# Altium PCB SOM_MCU.PcbDoc (part 4 of 4)
Units mil, origin at the board's own origin, x right, y up, seen from the top; angles counter-clockwise.
Board outline 3385.83 x 1811.02 mil, 4 copper layers (Top Layer, Mid-Layer 1, Mid-Layer 3, Bottom Layer); 107 components, 185 nets, 882 pads, 645 vias.
Unrouted connection lines stored in the file: 5.
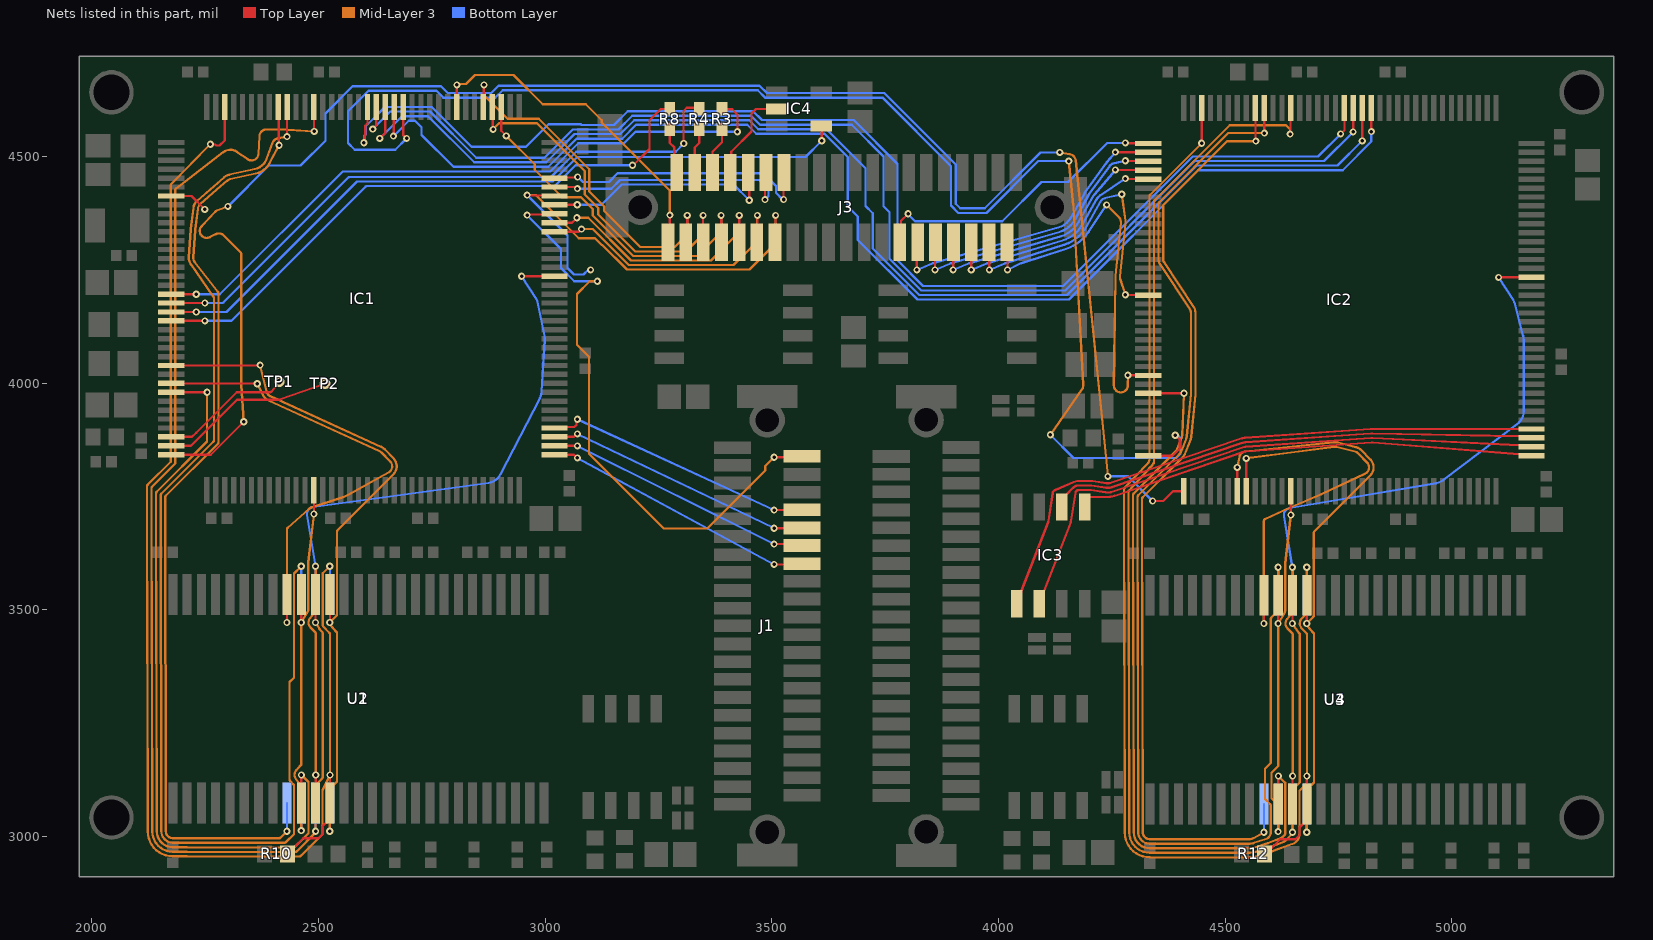
[diagram p6: the nets of this part, all layers, seen from the top]

## Via types
v1: diameter 15.75, hole 7.87, Top Layer to Bottom Layer, tented both sides, 639 vias
v2: diameter 15.75, hole 7.87, Top Layer to Bottom Layer, 4 vias
v3: diameter 23.62/23.62/23.62/23.62 (per signal layer), hole 12, Top Layer to Bottom Layer, tented top, 2 vias

## Nets (pads, with @x,y where several pads share a name; then routed paths per layer and width w, separated by ;. In a path a pad name is that pad's centre, name@x,y a point inside that pad or via, vN(x,y) a via of type N, cw(c..) or ccw(c..) an arc to the next point about the centre after c; other vN are vias at no path point) (continued)
NetJ3_36: J3.36 R3.1 | length 103.7
  Top Layer w5: J3.36@3369,4465 3369.24,4465.24 3369.24,4510.57 3390,4531.33 R3.1@3390,4560
NetJ3_38: J3.38 R4.1 | length 99.1
  Top Layer w5: J3.38@3330,4465 3330,4520 3340,4530 R4.1@3340,4560
NetJ3_40: J3.40 R8.1 | length 101.2
  Top Layer w5: R8.1@3275,4560 3275,4530 3285,4520 3285,4470 J3.40@3290,4465
PSRAM1_CLK: IC2.74 IC3.6 | length 1286.3
  Top Layer w5: IC3.6@4090,3513.23 4100.3,3540.75 4159.79,3694.04 ccw(c4152.8,3696.75) 4160.21,3695.61 4169.79,3757.93 cw(c4177.2,3756.79) 4177.2,3764.29 4202.8,3764.29 cw(c4202.8,3756.79) 4203.93,3764.2 4236.32,3759.35 ccw(c4241.56,3794.34) 4253,3760.87 4538.5,3858.13 cw(c4546.75,3834.13) 4544.98,3859.45 4822.42,3878.87 cw(c4824.24,3853.56) 4825.48,3878.91 5149.65,3862.97 IC2.74@5176.18,3859.57
PSRAM1_CS: IC2.73 IC3.1 | length 1018.7
  Top Layer w5: IC3.1@4190,3726.77 4200.3,3748.96 4241.56,3748.96 ccw(c4241.56,3794.34) 4256.19,3751.39 4541.75,3848.67 cw(c4546.75,3834.13) 4545.68,3849.47 4823.16,3868.9 cw(c4824.24,3853.56) 4825.6,3868.88 5149.65,3843.29 IC2.73@5176.18,3839.88
PSRAM1_MISO: IC2.75 IC3.2 | length 1080.7
  Top Layer w5: IC3.2@4140,3726.77 4150.3,3754.29 4164.69,3769.02 cw(c4177.2,3756.79) 4177.2,3774.29 4202.8,3774.29 cw(c4202.8,3756.79) 4205.44,3774.09 4237.76,3769.25 ccw(c4241.56,3794.34) 4249.8,3770.34 4535.3,3867.6 cw(c4546.75,3834.13) 4544.28,3869.42 4821.77,3888.85 cw(c4824.24,3853.56) 4824.92,3888.93 5149.65,3882.66 IC2.75@5176.18,3879.25
PSRAM1_MOSI: IC2.76 IC3.5 | length 1339.7
  Top Layer w5: IC3.5@4040,3513.23 4050.3,3540.75 4109.79,3694.04 ccw(c4102.8,3696.75) 4110.21,3695.61 4119.79,3757.93 cw(c4127.2,3756.79) 4124.2,3763.67 4166.2,3782 cw(c4177.2,3756.79) 4177.2,3784.29 4202.8,3784.29 cw(c4202.8,3756.79) 4206.92,3783.98 4239.24,3779.14 ccw(c4241.56,3794.34) 4246.58,3779.81 4532.02,3877.05 cw(c4546.75,3834.13) 4543.58,3879.4 4821.07,3898.83 cw(c4824.24,3853.56) 4824.24,3898.94 IC2.76@5176.18,3898.94
SAI1_FS: IC2.3 J3.11 | length 623
  Top Layer w5: v1(3860,4250) 3860,4310 J3.11@3861,4311 ; v1(4280,4490.63) 4280.57,4490.06 4330.1,4490.06 IC2.3@4330.67,4489.49
  Bottom Layer w5: v1(3860,4250) 3894.09,4264.19 cw(c3900,4250) 3895.74,4264.77 4134.66,4333.71 ccw(c4119,4388) 4168.34,4360.47 4199.2,4415.47 cw(c4238.77,4393.26) 4202.2,4420.12 4245.8,4479.49 cw(c4258.19,4470.39) 4255.06,4485.44 v1(4280,4490.63)
SAI1_MCLK: IC2.1 J3.15 | length 680
  Top Layer w5: J3.15@3782,4311 3785.21,4314.21 3785.21,4358.08 v1(3800.82,4373.72) ; v1(4280,4530) 4280.57,4529.43 4330.1,4529.43 IC2.1@4330.67,4528.86
  Bottom Layer w5: v1(3800.82,4373.72) 3800.82,4372.38 3815.93,4357.28 4008.58,4357.28 4094.94,4443.64 4153.64,4443.64 4240,4530 v1(4280,4530)
SAI1_SCK: IC2.4 J3.9 | length 576.2
  Top Layer w5: v1(3900,4250) 3900,4310 J3.9@3901,4311 ; v1(4258.19,4470.39) 4258.48,4470.1 4330.38,4470.1 IC2.4@4330.67,4469.8
  Bottom Layer w5: v1(3900,4250) 3934.09,4264.19 cw(c3940,4250) 3935.66,4264.75 4137.77,4324.2 ccw(c4119,4388) 4177.04,4355.55 4207.92,4410.57 cw(c4238.77,4393.26) 4211.89,4416.25 v1(4258.19,4470.39)
SAI1_SD_A: IC2.5 J3.7 | length 523.8
  Top Layer w5: v1(3940,4250) J3.7@3940,4311 ; v1(4280,4451.26) 4280.57,4450.69 4330.1,4450.69 IC2.5@4330.67,4450.12
  Bottom Layer w5: v1(3940,4250) 3974.09,4264.19 cw(c3980,4250) 3975.55,4264.72 4141.14,4314.77 ccw(c4119,4388) 4185.75,4350.62 4216.64,4405.68 cw(c4238.77,4393.26) 4224.69,4414.37 v1(4280,4451.26)
SAI1_SD_B: IC2.2 J3.13 | length 672
  Top Layer w5: v1(3820,4250) 3820,4309 J3.13@3822,4311 ; v1(4258.19,4509.76) 4258.48,4509.47 4330.38,4509.47 IC2.2@4330.67,4509.17
  Bottom Layer w5: v1(3820,4250) 3854.09,4264.19 cw(c3860,4250) 3855.79,4264.79 4131.72,4343.27 ccw(c4119,4388) 4159.63,4365.39 4190.48,4420.36 cw(c4238.77,4393.26) 4194.14,4426.04 4237.73,4485.41 cw(c4258.19,4470.39) 4238.79,4486.74 v1(4258.19,4509.76)
SAI4_SD_A: IC2.27 J3.3 | length 860.9
  Top Layer w5: J3.3@4019,4311 4020,4310 v1(4020,4250) ; v1(4285.72,4017.37) 4285.88,4017.21 4330.51,4017.21 IC2.27@4330.67,4017.05
  Mid-Layer 3 w5: v1(4238.77,4393.26) 4265.93,4365.81 cw(c4255,4355) 4270.29,4353.37 4258.18,4236.96 ccw(c4283.43,4234.37) 4258.05,4234.73 4254.69,3995.2 ccw(c4270.06,3995) 4285.43,3994.78 v1(4285.72,4017.37)
  Bottom Layer w5: v1(4020,4250) 4048.25,4263.81 cw(c4055,4250) 4050.34,4264.65 4148.46,4296.11 ccw(c4119,4388) 4199.11,4334.2 v1(4238.77,4393.26)
SAI4_SD_B: IC2.18 J3.5 | length 690.5
  Top Layer w5: J3.5@3979,4311 3980,4310 v1(3980,4250) ; v1(4280,4195) 4280.39,4194.61 4330.28,4194.61 IC2.18@4330.67,4194.21
  Mid-Layer 3 w5: v1(4272.11,4416.82) 4280.14,4358.46 cw(c4255,4355) 4280.24,4352.38 4268.13,4235.93 ccw(c4283.43,4234.37) 4268.77,4229.72 ccw(c4283.43,4234.37) 4268.81,4229.61 v1(4280,4195)
  Bottom Layer w5: v1(3980,4250) 4014.09,4264.19 cw(c4020,4250) 4015.38,4264.66 4144.99,4305.5 ccw(c4119,4388) 4194.43,4345.67 4225.36,4400.79 cw(c4238.77,4393.26) 4235.28,4408.23 v1(4272.11,4416.82)
SD_CK: IC1.113 J3.39 | length 808.7
  Top Layer w5: IC1.113@2863.66,4609.37 2864.33,4610.04 2864.33,4657.47 v1(2865,4658.14) ; J3.39@3309.25,4310.49 3313.25,4314.49 v1(3313.25,4370.24)
  Mid-Layer 3 w5: v1(2865,4658.14) 2865,4635 2916.76,4583.24 2985.9,4583.24 3096.99,4472.15 3096.99,4423.01 3130,4390 3130,4380 3209.43,4300.57 3285.57,4300.57 3313.25,4328.25 v1(3313.25,4370.24)
SD_CMD: IC1.116 J3.41 | length 752.2
  Top Layer w5: IC1.116@2804.61,4609.37 2804.8,4609.57 2804.8,4657.94 v1(2805,4658.14) ; J3.41@3271,4311 3275,4315 v1(3275,4370.75)
  Mid-Layer 3 w5: v1(2805,4658.14) 2806.86,4660 2825,4660 2845,4680 2930,4680 2994.63,4615.37 3089.62,4615.37 3125,4579.99 3125,4575 3275,4425 v1(3275,4370.75)
SD_D0: IC1.98 J3.31 | length 622.3
  Top Layer w5: IC1.98@3020.67,4334.25 3074.25,4334.25 v1(3080,4340) ; J3.31@3466.25,4310.49 3468.25,4312.49 v1(3468.25,4370.24)
  Mid-Layer 3 w5: v1(3080,4340) 3105,4340 3184.43,4260.57 3415.57,4260.57 3467.17,4312.17 3467.17,4369.15 v1(3468.25,4370.24)
SD_D1: IC1.99 J3.33 | length 574.4
  Top Layer w5: IC1.99@3020.67,4353.94 3058.94,4353.94 v1(3070,4365) ; J3.33@3427.25,4310.49 3428.25,4311.49 v1(3428.25,4370.24)
  Mid-Layer 3 w5: v1(3070,4365) 3095,4365 3189.43,4270.57 3365.57,4270.57 3427.8,4332.8 3427.8,4369.78 v1(3428.25,4370.24)
SD_D2: IC1.111 J3.35 | length 786.8
  Top Layer w5: IC1.111@2903.03,4609.37 2903.03,4556.64 v1(2914.17,4545.51) ; J3.35@3387.25,4310.49 3388.25,4311.49 v1(3388.25,4370.24)
  Mid-Layer 3 w5: v1(2914.17,4545.51) 2976.81,4482.86 2976.81,4470.59 3037.41,4410 3079.2,4410 3105,4384.2 3105,4370 3194.43,4280.57 3335.57,4280.57 3388.25,4333.25 v1(3388.25,4370.24)
SD_D3: IC1.112 J3.37 | length 791.6
  Top Layer w5: IC1.112@2883.35,4609.37 2884.17,4608.54 2884.17,4560.83 v1(2885,4560) ; J3.37@3348.25,4310.49 v1(3348.25,4370.24)
  Mid-Layer 3 w5: v1(2885,4560) 2898.24,4573.24 2981.76,4573.24 3086.99,4468.01 3086.99,4416.35 3117.07,4386.27 3117.07,4372.07 3198.57,4290.57 3310.57,4290.57 3348.14,4328.14 v1@3348.14,4370.13
SD_DETECT: IC1.102 J3.29 | length 1085.3
  Top Layer w5: v1(2960,4415) 2961,4414 3019.67,4414 IC1.102@3020.67,4412.99 ; J3.29@3505.25,4310.49 3508.25,4313.49 v1(3508.25,4370.24) ; J3.29@3507,4311 J3.29@3508.12,4312.12
  Mid-Layer 3 w5: v1(2960,4415) 2978.95,4415 3073.95,4320 3110,4320 3125,4305 3125.86,4305 3180.29,4250.57 3450.57,4250.57 3508.25,4308.25 v1(3508.25,4370.24)
  Bottom Layer w5: v1(2960,4415) 3049.16,4325.84 3049.16,4254.1 3063.63,4239.63 3084.63,4239.63 3095,4250 v1(3100,4250)
SDCKE_0: IC1.29 U1.37 | length 1781.4
  Top Layer w5: IC1.29@2175.16,3979.92 v1(2253.92,3979.88) ; U1.37@2461.93,3073.39 v1@2461.93,3135.23 ; U1.37@2462.17,3073.63 v1(2462.17,3135.47) ; U1.37@2462.42,3073.38 v1@2462.42,3135.23
  Mid-Layer 3 w5: 2252.46,3870.04 2142.92,3760.5 ccw(c2146.49,3757) 2141.49,3757.03 2141.46,3752.38 ccw(c2156.46,3752.29) 2141.46,3752.29 2141.46,3748.12 2142.96,3011.34 ccw(c2178.34,3011.41) 2178.19,2976.04 2209.59,2975.92 2444.44,2975.76 ccw(c2444.44,2980.76) 2447.93,2977.17 ; 2252.48,3870.06 ccw(c2248.9,3873.55) 2253.9,3873.54 2253.92,3941.61 v1(2253.92,3979.88) ; 2447.95,2977.19 2477.91,3007.16 2477.91,3117.66 ; v1(2462.17,3135.47) 2476.45,3121.15 cw(c2472.91,3117.62) 2477.91,3117.71
SDCKE_1: IC1.135 U2.37 | length 2766.8
  Top Layer w5: v1(2430.33,4543.87) 2430.46,4543.99 2430.46,4609.24 IC1.135@2430.59,4609.37
  Mid-Layer 3 w5: 2412.76,2985.92 2209.64,2985.92 2178.24,2986.04 cw(c2178.34,3011.41) 2152.96,3011.36 2151.46,3748.12 cw(c2161.46,3748.14) 2151.46,3748.25 2151.49,3752.35 cw(c2156.49,3752.32) 2152.9,3755.8 2267.83,3870.74 ccw(c2264.26,3874.24) 2269.26,3874.23 2269.3,3979.78 ccw(c2253.92,3979.88) 2269.3,3979.97 2269.25,4187.4 ccw(c2264.25,4187.4) 2267.88,4190.84 cw(c2271.48,4194.31) 2267.36,4191.48 2218.18,4261.89 cw(c2238.97,4276.44) 2213.66,4278.19 2217.82,4338.31 cw(c2253.11,4335.88) 2218,4340.21 2223.74,4386.62 cw(c2248.93,4383.53) 2232.24,4402.65 2268.33,4434.13 2291.65,4454.43 cw(c2308.31,4435.29) 2302.95,4460.09 2359.32,4472.27 ccw(c2351.85,4506.85) 2385,4494.5 2398.37,4530.4 cw(c2412.78,4525.03) 2410.01,4540.15 v1(2430.33,4543.87) ; 2412.78,2985.92 2424.53,2985.95 ccw(c2424.51,2990.95) 2428,2987.37 ; 2428.02,2987.39 2445.56,3004.93 2445.56,3111.84 ; 2445.56,3111.88 ccw(c2440.56,3111.79) 2444.11,3115.32 2437.27,3122.2 cw(c2440.82,3125.72) 2435.82,3125.72 2435.82,3340.52 2445.56,3350.26 2445.56,3579.98 v1(2461.68,3596.1)
  Bottom Layer w5: U2.37@2461.93,3534.02 v1@2461.93,3595.86
SDCKE_01: IC2.29 U3.37 | length 1647.1
  Top Layer w5: IC2.29@4330.63,3977.66 v1@4409.36,3977.66 ; U3.37@4617.38,3071.14 v1@4617.38,3132.98
  Mid-Layer 3 w5: 4296.91,3744.76 4298.41,3009.13 ; 4296.91,3744.78 4296.91,3748.96 cw(c4306.91,3748.96) 4296.91,3749.06 4296.94,3753.16 cw(c4301.94,3753.13) 4298.35,3756.61 ; 4298.41,3009.1 ccw(c4333.79,3009.17) 4333.84,2973.79 4365.07,2973.68 ; 4298.38,3756.63 4390.89,3849.14 ccw(c4380,3860) 4394.27,3854.29 4404.27,3879.29 ccw(c4390,3885) 4405.36,3884.34 v1(4409.38,3977.64) ; 4365.11,2973.68 4491.22,2973.68 ; 4491.24,2973.68 4554.23,2973.84 ccw(c4554.14,3009.21) 4565.18,2975.6 4593.58,2984.95 ccw(c4585.64,3009.05) 4594.73,2985.36 4622.64,2996.07 ccw(c4617.14,3010.43) 4628.09,2999.64 4631.07,3002.66 ccw(c4627.51,3006.17) 4632.51,3006.08 ; v1(4617.63,3133.23) 4632.51,3118.34 4632.51,3006.13
SDCKE_11: IC2.135 U4.37 | length 2784.6
  Top Layer w5: IC2.135@4586.04,4607.13 4586.35,4606.82 4586.35,4552.11 v1(4586.66,4551.8)
  Mid-Layer 3 w5: 4308.35,3752.47 ccw(c4311.94,3748.99) 4306.94,3749.02 4306.91,3744.92 ccw(c4316.91,3744.8) 4306.91,3744.78 4308.41,3009.15 ; 4308.41,3009.12 ccw(c4333.79,3009.17) 4333.88,2983.79 4365.1,2983.68 ccw(c4365.17,3009.05) 4365.17,2983.68 4491.19,2983.68 4554.24,2983.84 ccw(c4554.14,3009.21) 4562.08,2985.11 4590.42,2994.44 ccw(c4585.64,3009.05) 4601.01,3009.12 4600.97,3067.68 ccw(c4595.97,3067.68) 4599.59,3071.12 4599.55,3071.17 4588.37,3082.35 4588.37,3149.37 4601.01,3162.02 4601.01,3479.95 cw(c4606.02,3479.95) 4602.46,3483.46 4615.68,3496.73 ccw(c4612.14,3500.26) 4617.14,3500.17 ; 4308.38,3752.49 4397.97,3842.09 ccw(c4380,3860) 4403.58,3850.63 4413.56,3875.58 ccw(c4390,3885) 4415.25,3882.46 4424.67,3976.1 ccw(c4409.38,3977.64) 4424.75,3977.64 4424.75,4155 ccw(c4409.38,4155) 4422.17,4163.53 4357.56,4260.94 ccw(c4353.39,4258.18) 4357.15,4261.48 cw(c4368.37,4271.44) 4353.37,4271.44 4353.37,4390.5 cw(c4368.37,4390.5) 4353.37,4390.58 4353.39,4395.85 cw(c4358.4,4395.82) 4354.81,4399.31 ; 4354.83,4399.33 4507.3,4551.8 v1(4586.66,4551.8) ; 4617.14,3500.21 v1(4617.14,3593.86)
  Bottom Layer w5: U4.37@4617.38,3531.83 v1@4617.38,3593.61
SDCLK: IC1.93 U1.38 U2.38 | length 1826.7
  Top Layer w5: U1.38@2493.43,3073.39 v1@2493.43,3135.23 ; U1.38@2493.67,3073.63 v1(2493.67,3135.47) ; U1.38@2493.92,3073.38 v1@2493.92,3135.23 ; v1@2948.07,4235.83 IC1.93@3020.67,4235.83
  Mid-Layer 3 w5: v1(2493.18,3596.1) 2493.67,3595.61 2493.67,3497.54 ; v1(2493.67,3135.47) 2493.67,3447.62 ; 2493.67,3447.67 ccw(c2488.67,3447.58) 2492.21,3451.11 2482.28,3461.08 cw(c2493.18,3471.93) 2481.66,3482.1 2492.42,3494.28 ccw(c2488.67,3497.59) 2493.67,3497.5
  Bottom Layer w5: v1(2493.18,3596.1) cw(c2488.4,3594.64) 2493.4,3594.64 2493.4,3576.52 U2.38@2493.43,3534.02 ; v1@2493.43,3595.86 v1(2493.18,3596.1) 2474.53,3708.89 cw(c2489.7,3711.39) 2487.68,3726.63 2874.83,3779.96 ccw(c2870,3815) 2901.46,3798.83 2988.17,3966.97 ccw(c2956.75,3983.22) 2992.06,3981.12 2999,4095.3 ccw(c2963.69,4097.49) 2998.35,4104.56 2983.06,4179.45 ccw(c2967.99,4176.38) 2980.91,4184.71 v1(2947.99,4235.75)
SDCLK1: IC2.93 U3.38 U4.38 | length 1698.1
  Top Layer w5: U3.38@4648.88,3071.14 v1@4648.88,3132.98 ; v1@5103.52,4233.58 IC2.93@5176.12,4233.58
  Mid-Layer 3 w5: v1(4648.63,3593.86) 4649.12,3593.37 4649.12,3495.3 ; v1(4649.12,3133.23) 4649.12,3445.38 ; 4649.12,3445.43 ccw(c4644.12,3445.34) 4647.67,3448.86 4637.74,3458.84 cw(c4648.63,3469.68) 4637.11,3479.86 4647.87,3492.03 ccw(c4644.12,3495.34) 4649.12,3495.25
  Bottom Layer w5: v1@4648.39,3594.1 v1(4648.63,3593.86) U4.38@4648.63,3532.02 ; v1(4648.63,3593.86) cw(c4653.39,3595.41) 4648.45,3594.63 4629.97,3706.71 cw(c4645.15,3709.15) 4642.64,3724.32 4965.75,3779.26 ccw(c4959.82,3814.13) 4981.15,3785.91 5144.79,3909.7 ccw(c5123.44,3937.91) 5158.82,3937.91 5158.82,4095.39 ccw(c5123.44,4095.39) 5157.66,4104.38 5138.31,4178.04 ccw(c5123.44,4174.13) 5136.36,4182.47 v1(5103.44,4233.5) v1@5103.2,4233.75
SDNCAS: IC1.132 U1.17 U2.17 | length 2951.6
  Top Layer w5: IC1.132@2489.65,4609.37 2489.98,4609.04 2489.98,4555.72 v1(2490.31,4555.39) ; v1(2493.18,3471.93) U1.17@2493.18,3533.77 ; v1@2493.43,3472.17 U1.17@2493.43,3534.02
  Mid-Layer 3 w5: 2131.46,3756.97 2131.46,3748.1 2132.96,3011.32 ccw(c2178.34,3011.41) 2178.14,2966.04 2209.55,2965.92 2444.4,2965.73 ccw(c2444.41,2980.73) 2444.52,2965.73 2448.62,2965.76 ccw(c2448.58,2970.76) 2452.07,2967.17 ; 2131.46,3757 2131.49,3768.52 cw(c2136.49,3768.51) 2132.9,3771.99 2183.6,3822.68 2183.6,4425.81 cw(c2188.6,4425.81) 2185.55,4429.77 2289.51,4509.73 cw(c2305,4489.63) 2319.38,4510.53 2343.19,4494.15 ccw(c2351.85,4506.85) 2367.2,4505.98 2369.42,4545.24 cw(c2384.77,4544.37) 2384.94,4559.74 2430.5,4559.24 cw(c2430.33,4543.87) 2431.33,4559.21 v1(2490.31,4555.39) ; 2452.09,2967.19 2493.29,3008.39 2493.29,3111.28 cw(c2498.29,3111.28) 2494.73,3114.79 2504.56,3124.62 ccw(c2493.67,3135.47) 2504.62,3124.68 2507.61,3127.71 ccw(c2504.04,3131.22) 2509.04,3131.13 2509.04,3448.03 ccw(c2504.04,3447.98) 2507.6,3451.5 2503.64,3455.5 cw(c2514.3,3466.05) 2501.48,3458.26 v1(2493.18,3471.93)
  Bottom Layer w5: v1(2493.29,3011.3) 2493.29,3073.25 U2.17@2493.43,3073.39
SDNCAS1: IC2.132 U3.17 U4.17 | length 2856.7
  Top Layer w5: v1(4643.37,4549.37) 4644.23,4550.24 4644.23,4606.26 IC2.132@4645.1,4607.13 ; v1@4648.88,3469.93 U3.17@4648.88,3531.83
  Mid-Layer 3 w5: 4343.37,3826.4 cw(c4338.37,3826.44) 4342.41,3823.5 4339.25,3819.16 4338.55,3817.8 4337.58,3816.84 4336.87,3816.12 4336.71,3815.96 4288.22,3762.92 ccw(c4291.91,3759.54) 4286.91,3759.54 4286.91,3753.1 4286.91,3744.76 4288.41,3009.11 ccw(c4333.79,3009.17) 4333.79,2963.79 4365.04,2963.68 ccw(c4365.12,2973.68) 4365.12,2963.68 4491.24,2963.68 4554.28,2963.84 ccw(c4554.14,3009.21) 4568.35,2966.12 4596.7,2975.45 ccw(c4585.64,3009.05) 4598.34,2976.04 4626.23,2986.74 ccw(c4617.14,3010.43) 4635.05,2992.45 4647.28,3004.68 ccw(c4643.74,3008.22) 4648.74,3008.22 4648.74,3006.15 4648.74,3102.84 4664.75,3118.86 4664.75,3447.45 4663.58,3448.72 v1(4648.63,3469.68) ; 4343.37,3826.44 4343.37,4390.5 cw(c4368.37,4390.5) 4343.37,4390.61 4343.39,4399.98 cw(c4348.4,4399.97) 4344.81,4403.45 ; 4344.83,4403.47 4510.36,4569 4634.35,4569 4643.37,4559.98 v1(4643.37,4549.37)
  Bottom Layer w5: v1(4648.74,3009.05) 4648.74,3071 U4.17@4648.88,3071.14
SDNE_0: IC1.28 U1.19 | length 1093.6
  Top Layer w5: IC1.28@2175.16,3999.61 2175.67,3999.09 2364.24,3999.09 v1(2364.76,3998.58) ; v1@2430.43,3472.17 U1.19@2430.43,3534.02
  Mid-Layer 3 w5: v1(2364.76,3998.58) 2377.36,3973.55 ccw(c2400,3985) 2389.41,3961.94 2633.9,3850.36 cw(c2627.52,3836.38) 2638.56,3847.07 2657.93,3827.07 cw(c2646.89,3816.38) 2654.36,3802.94 2566.65,3754.14 cw(c2530,3820) 2553.34,3748.33 2485.05,3726.05 ccw(c2489.7,3711.39) 2479.53,3722.92 2431.88,3680.9 ccw(c2435.19,3677.15) 2430.19,3677.15 v1(2430.19,3471.93)
SDNE_1: IC1.136 U2.19 | length 2110.2
  Top Layer w5: IC1.136@2410.91,4609.37 2411.84,4608.43 2411.84,4525.97 v1(2412.78,4525.03)
  Mid-Layer 3 w5: 2162.9,3751.66 ccw(c2166.49,3748.18) 2161.49,3748.17 2162.96,3011.35 ccw(c2178.34,3011.41) 2178.28,2996.04 2209.66,2995.92 2398.69,2995.92 2412.78,2995.95 ccw(c2412.77,3000.95) 2416.26,2997.37 ; 2162.92,3751.68 2277.83,3866.59 ccw(c2274.26,3870.09) 2279.26,3870.09 2279.3,3979.78 ccw(c2253.92,3979.88) 2279.3,3980.01 2279.25,4198.2 ccw(c2274.25,4198.2) 2277.88,4201.65 cw(c2281.48,4205.12) 2277.51,4202.07 2226.84,4266.99 cw(c2238.97,4276.44) 2223.63,4277.5 2227.79,4337.58 cw(c2253.11,4335.88) 2227.93,4338.99 2233.67,4385.45 cw(c2248.93,4383.53) 2238.82,4395.11 2274.9,4426.59 2298.19,4446.87 cw(c2308.31,4435.29) 2305.11,4450.33 2361.43,4462.5 ccw(c2351.85,4506.85) 2391.97,4485.65 v1(2412.78,4525.03) ; 2416.28,2997.39 v1(2430.19,3011.3)
  Bottom Layer w5: v1@2430.43,3011.54 U2.19@2430.43,3073.39
SDNE_01: IC2.44 U3.19 | length 916.7
  Top Layer w5: IC2.44@4546.83,3761.46 v1(4546.75,3834.13) ; v1@4585.89,3469.93 U3.19@4585.89,3531.83
  Mid-Layer 3 w5: v1(4546.75,3834.13) 4662.86,3849.38 ; v1(4585.64,3469.68) 4585.64,3695.75 cw(c4590.64,3695.75) 4588.57,3700.3 4638.76,3723.13 cw(c4645.15,3709.15) 4639.18,3723.32 4711.33,3754.31 ccw(c4685.51,3814.37) 4713.37,3755.23 4808.89,3800.23 ccw(c4802.34,3814.13) 4813.39,3824.83 4794.02,3844.83 ccw(c4782.97,3834.13) 4786.82,3849.02 4747.21,3859.26 ccw(c4743.37,3844.37) 4741.38,3859.62 4662.91,3849.38
SDNE_11: IC2.136 U4.19 | length 2124.4
  Top Layer w5: IC2.136@4566.42,4607.13 4567.19,4606.3 4567.19,4534.87 v1(4568.02,4534.04)
  Mid-Layer 3 w5: 4318.35,3748.33 ccw(c4321.94,3744.84) 4316.94,3744.83 4318.41,3009.14 ccw(c4333.79,3009.17) 4333.73,2993.79 4333.93,2993.79 4365.11,2993.68 4491.15,2993.68 ; 4318.38,3748.35 4405.06,3835.03 ccw(c4380,3860) 4412.84,3846.86 4422.83,3871.83 ccw(c4390,3885) 4425.2,3881.49 4434.62,3975.05 ccw(c4409.38,3977.64) 4434.75,3977.64 4434.75,4155 ccw(c4409.38,4155) 4430.52,4169.02 4366.51,4265.54 4365.9,4266.85 4364.95,4267.79 4364.8,4267.94 4364.57,4268.18 cw(c4368.37,4271.44) 4363.37,4271.44 4363.37,4390.5 cw(c4368.37,4390.5) 4364.83,4394.04 4504.83,4534.04 v1(4568.02,4534.04) ; 4491.19,2993.68 4554.22,2993.84 ccw(c4554.14,3009.21) 4561.56,2995.75 v1(4585.64,3009.05)
  Bottom Layer w5: v1@4585.89,3009.3 U4.19@4585.89,3071.14
SDNRAS: IC1.49 U1.18 U2.18 | length 950.3
  Top Layer w5: v1(2461.68,3471.93) U1.18@2461.68,3533.77 ; v1@2461.93,3472.17 U1.18@2461.93,3534.02 ; v1(2489.7,3711.39) IC1.49@2489.67,3763.83
  Mid-Layer 3 w5: v1(2461.68,3012.67) 2461.68,3109.86 ; 2461.68,3109.9 ccw(c2456.68,3109.81) 2460.58,3112.95 2450.2,3125.83 cw(c2462.17,3135.47) 2450.75,3145.76 2460.4,3156.47 ccw(c2456.68,3159.82) 2461.68,3159.73 v1(2461.68,3471.93) 2462.32,3473.06 cw(c2466.68,3470.63) 2462.37,3473.16 2476.37,3497.02 ccw(c2472.06,3499.55) 2477.06,3499.46 ; 2477.06,3499.5 2477.06,3603.69 cw(c2482.06,3603.69) 2477.09,3604.27 v1(2489.7,3711.39)
  Bottom Layer w5: v1(2461.68,3012.67) 2461.68,3073.14 U2.18@2461.93,3073.39
SDNRAS1: IC2.49 U3.18 U4.18 | length 890.8
  Top Layer w5: v1@4617.38,3469.93 U3.18@4617.38,3531.83 ; v1@4645.13,3709.18 IC2.49@4645.13,3761.59
  Mid-Layer 3 w5: 4615.67,3070.98 4602.25,3084.4 4602.25,3140.58 4617.14,3155.46 v1(4617.14,3469.68) 4617.77,3470.82 cw(c4622.14,3468.39) 4617.82,3470.92 4631.82,3494.77 ccw(c4627.51,3497.3) 4632.51,3497.21 ; 4615.7,3070.95 cw(c4612.11,3067.47) 4617.11,3067.47 v1(4617.14,3010.43) ; 4632.51,3497.26 4632.51,3601.44 cw(c4637.51,3601.44) 4632.55,3602.03 v1(4645.15,3709.15)
  Bottom Layer w5: v1(4617.14,3010.43) 4617.14,3070.9 U4.18@4617.38,3071.14
SDNWE: IC1.26 U1.16 U2.16 | length 1596
  Top Layer w5: IC1.26@2175.16,4038.98 2369.9,4039 v1(2370.8,4039.9) ; v1@2524.92,3472.17 U1.16@2524.92,3534.02
  Mid-Layer 3 w5: v1(2370.8,4039.9) 2385.07,3981.31 ccw(c2400,3985) 2393.62,3971.01 2638.05,3859.46 cw(c2627.52,3836.38) 2645.75,3854.03 2665.12,3834.03 cw(c2646.89,3816.38) 2664.86,3798.47 2541.81,3675.41 ccw(c2545.37,3671.9) 2540.37,3671.9 2540.37,3489.69 ; v1(2524.68,3011.3) 2524.68,3102.91 cw(c2529.68,3102.91) 2526.12,3106.43 2539.34,3119.69 ccw(c2535.8,3123.22) 2540.8,3123.13 2540.8,3447.77 ; 2540.36,3489.64 cw(c2535.37,3489.73) 2538.91,3486.2 v1(2524.68,3471.93) 2524.68,3469.86 ccw(c2529.68,3469.86) 2525.91,3466.57 2539.56,3451.02 cw(c2535.8,3447.72) 2540.8,3447.81
  Bottom Layer w5: v1@2524.92,3011.54 U2.16@2524.92,3073.39
SDNWE1: IC2.43 U3.16 U4.16 | length 1404
  Top Layer w5: IC2.43@4527.05,3761.61 v1@4526.99,3813.9 ; v1@4680.37,3469.93 U3.16@4680.37,3531.83
  Mid-Layer 3 w5: v1(4526.75,3814.13) 4531.72,3837.35 cw(c4546.75,3834.13) 4545.17,3849.43 4740.76,3869.61 cw(c4743.37,3844.37) 4749.72,3868.94 4789.32,3858.7 cw(c4782.97,3834.13) 4801.21,3851.78 4820.57,3831.79 cw(c4802.34,3814.13) 4820.32,3796.22 4697.26,3673.17 ccw(c4700.82,3669.65) 4695.82,3669.65 4695.82,3487.44 ; v1(4680.13,3009.05) 4680.13,3102.74 4696.25,3118.86 4696.25,3445.52 ; 4695.82,3487.4 cw(c4690.82,3487.49) 4694.36,3483.96 v1(4680.13,3469.68) 4680.13,3467.61 ccw(c4685.13,3467.62) 4681.37,3464.32 4695.01,3448.78 cw(c4691.25,3445.48) 4696.25,3445.57
  Bottom Layer w5: v1@4680.37,3009.3 U4.16@4680.37,3071.14
SPI1_MISO: IC1.124 IC2.124 | length 2810.4
  Top Layer w5: v1(2635,4540) 2647.13,4552.13 IC1.124@2647.13,4609.37 ; v1(4802.61,4534.6) IC2.124@4802.64,4607.13
  Bottom Layer w5: v1(2635,4540) 2684.15,4589.15 2741.57,4589.15 2843.48,4487.24 3002.56,4487.24 3064.84,4549.52 3165.75,4549.52 3196.4,4580.17 3449.98,4580.17 3469.77,4560.37 3620.51,4560.37 3706.51,4474.37 3706.51,4391.1 3722.93,4374.68 3722.93,4297.04 3825.35,4194.63 4151.34,4194.63 4436.72,4480 4748.02,4480 v1(4802.61,4534.6)
SPI1_MOSI: IC1.123 IC2.123 | length 2800.2
  Top Layer w5: v1(2665,4545) 2665.91,4545.91 2665.91,4608.46 IC1.123@2666.81,4609.37 ; IC2.123@4822.32,4607.13 4822.56,4606.89 4822.56,4555.24 v1(4822.8,4555)
  Bottom Layer w5: v1(2665,4545) 2699.15,4579.15 2712.65,4579.15 2727.29,4564.51 2727.29,4547.64 2797.69,4477.24 3006.7,4477.24 3068.98,4539.52 3169.89,4539.52 3200.54,4570.17 3445.83,4570.17 3465.63,4550.37 3616.37,4550.37 3667.51,4499.23 3667.51,4390.1 3689.74,4367.87 3689.74,4316.09 3821.21,4184.63 4155.48,4184.63 4440.86,4470 4759.76,4470 4822.8,4533.04 v1(4822.8,4555)
SPI1_NSS: IC1.125 IC2.125 | length 2793.8
  Top Layer w5: v1(2619.55,4560.6) 2627.44,4568.49 IC1.125@2627.44,4609.37 ; v1(4782.64,4554.36) 4782.79,4554.51 4782.79,4606.97 IC2.125@4782.95,4607.13
  Bottom Layer w5: v1(2619.55,4560.6) 2658.11,4599.15 2745.71,4599.15 2847.62,4497.24 2998.42,4497.24 3060.7,4559.52 3161.61,4559.52 3192.26,4590.17 3454.12,4590.17 3473.92,4570.37 3676.37,4570.37 3746.51,4500.23 3746.51,4390.1 3759.49,4377.12 3759.49,4274.63 3829.49,4204.63 4147.2,4204.63 4432.57,4490 4718.28,4490 v1(4782.64,4554.36)
SPI1_SCK: IC1.126 IC2.126 | length 2843.1
  Top Layer w5: v1(2600,4530.37) 2602.06,4532.43 2602.06,4547.21 2603.1,4548.25 2603.1,4568.18 2607.76,4572.83 IC1.126@2607.76,4609.37 ; v1(4755,4550) 4763.27,4558.27 IC2.126@4763.27,4607.13
  Bottom Layer w5: v1(2600,4530.37) 2600,4544.34 2604.18,4548.52 2604.18,4566.97 2646.36,4609.15 2749.85,4609.15 2837.69,4521.32 2956.96,4521.32 3007.01,4571.37 3078.42,4571.37 3080.27,4569.52 3151.68,4569.52 3182.33,4600.17 3458.26,4600.17 3478.06,4580.37 3680.51,4580.37 3777.26,4483.63 3777.26,4271 3833.63,4214.63 4143.06,4214.63 4428.43,4500 4705,4500 v1(4755,4550)
SPI2_MISO: IC1.75 J1.32 | length 596.6
  Top Layer w5: IC1.75@3020.67,3881.5 3062.94,3881.5 3069.63,3888.19 v1(3070.91,3888.19) ; v1(3505,3680) 3566.3,3680 J1.32@3566.91,3680.61
  Bottom Layer w5: v1(3070.91,3888.19) v1(3505,3680)
SPI2_MOSI: IC1.76 J1.34 | length 604.5
  Top Layer w5: IC1.76@3020.67,3901.18 3022.8,3903.31 3064.23,3903.31 3068.86,3907.94 3068.86,3918.31 v1(3070.91,3920.36) ; v1(3505,3720) 3566.3,3720 J1.34@3566.91,3720.61
  Bottom Layer w5: v1(3070.91,3920.36) v1(3505,3720)
SPI2_NSS: IC1.73 J1.28 | length 609.4
  Top Layer w5: IC1.73@3020.67,3842.13 3063.32,3842.13 3070.4,3835.05 v1(3070.91,3835.05) ; v1(3504.88,3600) 3565.3,3600 J1.28@3566.91,3601.61
  Bottom Layer w5: v1(3070.91,3835.05) v1(3504.88,3600)
SPI2_SCK: IC1.74 J1.30 | length 598.8
  Top Layer w5: IC1.74@3020.67,3861.81 3020.82,3861.66 3070.76,3861.66 v1(3070.91,3861.5) ; v1(3504.88,3645) 3563.53,3645 J1.30@3566.91,3641.61
  Bottom Layer w5: v1(3070.91,3861.5) v1(3504.88,3645)
UART2_RX: IC1.122 IC2.36 | length 3218
  Top Layer w5: IC1.122@2686.5,4609.37 2686.5,4547.66 v1(2694.21,4539.94) ; IC2.36@4330.67,3839.88 4383.79,3839.88 4400,3856.09 4400,3875 v1(4390,3885)
  Mid-Layer 3 w5: v1(4114.56,3886.14) 4184.54,3986.42 ccw(c4171.93,3995.22) 4187.28,3996.07 4165.43,4390.57 ccw(c4119,4388) 4165.24,4392.88 v1(4155,4490)
  Bottom Layer w5: v1(2694.21,4539.94) 2669.27,4515 2580,4515 2565,4530 2565,4600 2610,4645 2760,4645 2775,4630 2890,4630 2906.33,4646.33 3468.67,4646.33 3485,4630 3743.97,4630 3895.46,4478.52 3895.46,4391.79 3911.55,4375.69 3973.69,4375.69 4088,4490 v1(4155,4490) ; v1(4114.56,3886.14) 4165.69,3835 4392.07,3835 4401.82,3844.74 4401.82,3879.22 4398.09,3882.94 4392.06,3882.94 v1@4390.09,3884.91
UART2_TX: IC1.36 IC2.37 | length 3917.5
  Top Layer w5: IC1.36@2175.16,3842.13 2262.13,3842.13 v1(2335,3915) ; v1(4340,3740) 4363.41,3740 4385.03,3761.61 IC2.37@4408.94,3761.61
  Mid-Layer 3 w5: v1(2300,4390) 2277.99,4382.13 ccw(c2283.17,4367.66) 2272,4378.22 2241.94,4346.44 ccw(c2253.11,4335.88) 2260,4322.14 2273.08,4328.73 cw(c2280,4315) 2290.9,4325.84 2327.83,4288.94 cw(c2324.3,4285.4) 2329.3,4285.49 ; 2329.3,4285.45 2329.38,3998.57 ccw(c2364.76,3998.58) 2329.47,3996.17 v1(2335,3915) ; v1(4135.32,4509.16) 4157.72,4505.13 cw(c4155,4490) 4170.29,4491.56 v1(4241.56,3794.34)
  Bottom Layer w5: v1(2300,4390) 2390,4480 2460,4480 2515,4535 2515,4595 2575,4655 2770,4655 2785,4640 2880.8,4640 2897.13,4656.33 3472.81,4656.33 3489.14,4640 3748.11,4640 3905.53,4482.59 3905.53,4395.86 3915.69,4385.69 3969.55,4385.69 4093.02,4509.16 v1(4135.32,4509.16) ; v1(4241.56,3794.34) 4285.66,3794.34 v1(4340,3740)
UART4_RX: IC1.35 TP2.1 | length 388
  Top Layer w5: IC1.35@2175.16,3861.81 2218.21,3861.81 2319.92,3963.52 2412.18,3963.52 ccw(c2412.18,3968.52) 2413.97,3963.85 ; 2413.98,3963.86 cw(c2415.76,3959.18) 2414.14,3963.91 v3@2515,3999
  other v3: 2514,3999
UART4_TX: IC1.34 TP1.1 | length 287.6
  Top Layer w5: IC1.34@2175.16,3881.5 2220.75,3881.5 2229.89,3890.63 2319.25,3980 2392.65,3980 ccw(c2392.65,3985) 2396.5,3981.81 TP1.1@2412.39,4000.94
  other v3: 2413,4003
UDQM: IC1.142 R10.2 U1.39 U2.39 | length 3024.1
  Top Layer w5: v1(2261.15,4527.12) 2261.65,4526.62 2271.57,4526.62 2274.07,4524.12 2281.51,4524.12 2292.8,4535.41 2292.8,4609.25 IC1.142@2292.85,4609.31 ; R10.2@2431.73,2961.61 2431.73,2963.58 2445.96,2977.82 2447.93,2977.82 2466.04,2995.92 2499.66,2995.92 2508.66,3004.93 2508.66,3022.13 2524.92,3038.39 U1.39@2524.92,3073.39 v1@2524.92,3135.23
  Mid-Layer 3 w5: 2121.46,3748.05 2122.96,3011.33 ccw(c2178.34,3011.41) 2178.13,2956.04 ; 2121.46,3748.08 2121.46,3768.48 cw(c2136.46,3768.48) 2121.46,3768.58 2121.49,3772.68 cw(c2126.49,3772.65) 2122.9,3776.13 2173.6,3826.83 2173.6,4435.77 cw(c2178.6,4435.77) 2175.02,4439.27 v1(2261.15,4527.12) ; 2178.12,2956.04 2209.51,2955.92 2444.39,2955.73 2448.56,2955.73 ; 2448.6,2955.73 2457.43,2955.76 ccw(c2457.42,2960.76) 2460.9,2957.17 ; 2460.93,2957.19 2508.66,3004.93 2508.66,3101.04 cw(c2513.66,3101.04) 2509.22,3103.33 2524.61,3133.18 ccw(c2520.17,3135.47) v1(2525.17,3135.47) 2525.17,3446.05 ; v1(2524.68,3596.1) 2509.3,3580.73 2509.3,3466.05 ccw(c2514.3,3466.05) 2510.77,3462.51 2523.71,3449.53 cw(c2520.17,3446) 2525.17,3446.09
  Bottom Layer w5: U2.39@2524.92,3534.02 v1@2524.92,3595.86
UDQM1: IC2.142 R12.2 U3.39 U4.39 | length 3003.9
  Top Layer w5: IC2.142@4448.31,4607.13 4448.31,4529.43 v1(4448.37,4529.37) ; R12.2@4587.19,2959.37 R12.2@4587.24,2961.34 4589.15,2961.34 4621.49,2993.68 4655.11,2993.68 4664.11,3002.69 4664.11,3019.88 4680.37,3036.14 4680.37,3071.14 v1@4680.37,3132.98
  Mid-Layer 3 w5: 4276.91,3744.72 4278.41,3009.09 ccw(c4333.79,3009.17) 4333.74,2953.79 4365.05,2953.68 ccw(c4365.12,2973.68) 4365.12,2953.68 4491.27,2953.68 ; 4276.91,3744.74 4276.91,3765.84 cw(c4281.91,3765.84) 4278.3,3769.3 4329.18,3822.55 ccw(c4318.34,3832.91) 4333.29,3831.76 4333.35,3832.52 ccw(c4328.37,3832.9) 4333.37,3832.85 ; 4333.37,3832.9 4333.37,4390.5 ; 4333.37,4390.55 4333.39,4412.33 cw(c4338.4,4412.33) 4334.81,4415.81 ; 4334.83,4415.83 v1(4448.37,4529.37) ; 4491.29,2953.68 4554.26,2953.84 ccw(c4554.14,3009.21) 4571.48,2956.62 4599.83,2965.96 ccw(c4585.64,3009.05) 4600.78,2966.28 4648.06,2983.02 ccw(c4640.06,3005.7) 4664.11,3005.49 4664.11,3100.86 4680.62,3117.37 v1(4680.62,3133.23) 4680.62,3445.38 ; v1(4680.13,3593.86) 4680.62,3593.37 4680.62,3495.3 ; 4680.62,3445.43 ccw(c4675.62,3445.34) 4679.16,3448.86 4669.23,3458.84 cw(c4680.13,3469.68) 4668.61,3479.86 4679.36,3492.03 ccw(c4675.62,3495.34) 4680.62,3495.25
  Bottom Layer w5: U4.39@4680.37,3531.83 v1@4680.37,3593.61
UI_CLK: IC1.19 R4.2 | length 1386.6
  Top Layer w5: IC1.19@2175.16,4176.77 v1(2249.29,4176.81) ; v1(3305.79,4528.76) 3305,4529.55 3305,4600 3312.51,4607.51 3337.77,4607.51 R4.2@3340,4605.28
  Bottom Layer w5: v1(2249.29,4176.81) 2286.74,4176.81 ccw(c2286.74,4181.81) 2290.26,4178.26 2565.55,4453.55 cw(c2569.07,4450) 2569.04,4455 3012.74,4455 3068.55,4510.81 3287.83,4510.81 v1(3305.79,4528.76)
UI_CS: IC1.18 R3.2 | length 1474.6
  Top Layer w5: IC1.18@2175.16,4196.46 2175.23,4196.38 2230.11,4196.38 v1(2230.19,4196.31) ; R3.2@3390,4605.28 3391.15,4604.13 3412.41,4604.13 3424.15,4592.39 v1(3424.15,4554.8)
  Bottom Layer w5: v1(2230.19,4196.31) 2282.17,4196.31 2553.1,4467.24 3010.84,4467.24 3073.12,4529.52 3174.04,4529.52 3199.31,4554.8 v1(3424.15,4554.8)
UI_MISO: IC1.20 IC4.4 | length 1624.2
  Top Layer w5: IC1.20@2175.23,4157.01 v1@2230.11,4157.01 ; IC4.4@3609.21,4567.6 3610,4566.81 v1(3610,4535)
  Bottom Layer w5: v1(2230.19,4156.94) 2296.94,4156.94 2585,4445 3016.88,4445 3070.91,4499.03 3574.03,4499.03 v1(3610,4535)
UI_MISO_5V: IC4.2 J3.34 | length 209.4
  Top Layer w5: J3.34@3408,4465 3410.57,4467.57 3410.57,4510.57 3455.14,4555.14 3455.14,4595.14 3465,4605 IC4.2@3510.79,4605
UI_MOSI: IC1.21 R8.2 | length 1330.3
  Top Layer w5: IC1.21@2175.16,4137.4 v1(2249.29,4137.44) ; v1(3192.64,4480.78) 3194.22,4480.78 3230,4516.55 3230,4580 3255,4605 3274.72,4605 R8.2@3275,4605.28
  Bottom Layer w5: v1(2249.29,4137.44) 2305.37,4137.44 ccw(c2305.37,4142.44) 2308.89,4138.89 2603.55,4433.55 cw(c2607.07,4430) 2607.04,4435 3021.02,4435 3066.8,4480.78 v1(3192.64,4480.78)
UI_RESET: IC1.7 | length 86
  Top Layer w5: IC1.7@2175.16,4412.99 2219.46,4412.99 v1(2248.93,4383.53)
USB_FS_DM: IC1.103 J3.30 | length 577.5
  Top Layer w5: IC1.103@3020.67,4432.68 3064.57,4432.68 3068.1,4429.15 v1(3071.01,4429.15) ; J3.30@3484.79,4467.21 J3.30@3487,4465 ; v1(3485,4405) J3.30@3485,4463
  Bottom Layer w5: v1(3071.01,4429.15) 3145.88,4429.15 3164.99,4448.25 3472.75,4448.25 3492.89,4428.11 3492.89,4412.89 v1(3485,4405)
USB_FS_DP: IC1.104 J3.28 | length 610.2
  Top Layer w5: IC1.104@3020.67,4452.36 3021.93,4453.63 3070.11,4453.63 v1(3071.38,4454.89) ; v1(3525.88,4405.25) J3.28@3525.88,4463.88
  Bottom Layer w5: v1(3071.38,4454.89) 3072.09,4454.89 3083.3,4443.69 3140.55,4443.69 3159.76,4462.89 3481.11,4462.89 3509,4435 3509,4420 3523.75,4405.25 v1(3525.88,4405.25)
USB_FS_SOF: IC1.100 J1.40 | length 1332.6
  Top Layer w5: v1(2960,4370.75) 2961.44,4372.19 3019.23,4372.19 IC1.100@3020.67,4373.62 ; v1(3504.88,3836.61) 3564.9,3836.61 J1.40@3566.91,3838.61
  Mid-Layer 3 w5: v1(3115,4225) 3098.03,4225 3070,4196.97 3070,4085 3096.56,4058.44 3096.56,3844.01 3261.34,3679.23 3357.36,3679.23 3485.54,3807.41 3485.54,3817.26 v1(3504.88,3836.61)
  Bottom Layer w5: v1(2960,4370.75) 3035,4295.75 3035,4254.12 3064.12,4225 v1(3115,4225)
USB_FS_VBUS: IC1.101 J3.32 | length 524.4
  Top Layer w5: IC1.101@3020.67,4393.31 3020.77,4393.41 3070.73,4393.41 v1(3070.83,4393.51) ; J3.32@3448,4465 J3.32@3450,4467 ; v1(3450.21,4403.68) J3.32@3450.21,4462.79
  Bottom Layer w5: v1(3070.83,4393.51) 3124.38,4393.51 3169.13,4438.25 3415.64,4438.25 v1(3450.21,4403.68)
pads on no net: IC1.2 IC1.3 IC1.6 IC1.87 IC1.88 IC1.92 IC1.95 IC1.117 IC1.128 IC1.129 IC1.137 IC1.143 IC2.6 IC2.8 IC2.9 IC2.26 IC2.28 IC2.34 IC2.40 IC2.41 IC2.42 IC2.45 IC2.46 IC2.47 IC2.48 IC2.69 IC2.70 IC2.80 IC2.87 IC2.88 IC2.92 IC2.95 IC2.96 IC2.97 IC2.98 IC2.99 IC2.100 IC2.101 IC2.102 IC2.103 IC2.104 IC2.111 IC2.112 IC2.113 IC2.116 IC2.117 IC2.118 IC2.119 IC2.122 IC2.127 IC2.128 IC2.129 IC2.137 IC2.139 IC2.140 IC2.143 IC8.2 IC8.3 IC8.4 J1.42 J1.43 J1.44 J1.45 J2.1 J2.2 J2.3 J2.4 J2.5 J2.6 J2.7 J2.8 J2.9 J2.10 J2.11 J2.12 J2.13 J2.14 J2.15 J2.16 J2.17 J2.18 J2.19 J2.20 J2.21 J2.22 J2.23 J2.24 J2.25 J2.26 J2.27 J2.28 J2.29 J2.30 J2.31 J2.32 J2.33 J2.34 J2.35 J2.36 J2.37 J2.38 J2.39 J2.40 J2.41 J2.42 J2.43 J2.44 J2.45 J3.42 J3.43 J3.44 J3.45 U1.36 U1.40 U2.36 U2.40 U3.36 U3.40 U4.36 U4.40
copper on no net: | length 279.3
  Mid-Layer 3 w5: 2631.99,3020.22 2635.21,3016.99 2635.21,2993.01 ; 2662.91,3031.61 2666.68,3027.85 2666.68,3005.03 2667.91,3003.8 2667.91,2991.61 ; 2822.91,2991.61 2824.12,2992.82 2824.12,3022.13 ; 2855.85,3028.68 2855.85,3017.75 2855.76,3017.67 2855.76,2993.77 2857.91,2991.61 ; 4787.44,3017.97 4790.67,3014.75 4790.67,2990.77 ; 4818.37,3029.37 4822.13,3025.6 4822.13,3002.79 4823.37,3001.55 4823.37,2989.37 ; 4978.37,2989.37 4979.57,2990.58 4979.57,3019.89 ; 5011.3,3026.44 5011.3,3015.51 5011.21,3015.42 5011.21,2991.52 5013.37,2989.37

## Polygon pours and split planes (outlines as drawn)
GND on Mid-Layer 3 "GND_L03_P011" (solid, remove dead copper, pour order 11): 1974.65,4721.57 1974.65,2910.55 5360.48,2910.55 5360.48,4721.57
no net on Mid-Layer 3 "NONET_L03_P003" (solid, remove dead copper, pour order 3): 2635.03,3137.15 2632.91,3151.61 2682.91,3151.61 2682.91,3105.74 2682.16,3104.98 2682.16,2912.37 2682.91,2911.61 2617.91,2911.61 2617.91,3103.73 2635.03,3120.85 2632.91,3122.96
no net on Mid-Layer 3 "NONET_L03_P002" (solid, remove dead copper, pour order 2): 2821.89,3151.61 2871.89,3151.61 2871.89,3105.74 2871.13,3104.98 2871.13,2912.37 2871.89,2911.61 2806.89,2911.61 2806.89,3103.73 2824.01,3120.85 2821.89,3122.96
no net on Mid-Layer 3 "NONET_L03_P000" (solid, remove dead copper, pour order 0): 2542.91,3606.61 2617.91,3606.61 2617.91,3493.73 2603.79,3479.61 2603.79,3465.56 2557.2,3465.56 2542.91,3479.85 2542.91,3496.61
no net on Mid-Layer 3 "NONET_L03_P001" (solid, remove dead copper, pour order 1): 2772.91,3686.61 2793.02,3666.51 2793.02,3511.35 2761.27,3479.61 2761.27,3456.61 2721.71,3457.9 2729.36,3487.64 2729.36,3643.06
GND on Mid-Layer 3 "GND_L03_P008" (solid, remove dead copper, pour order 8): 4928.37,3684.37 4948.47,3664.27 4948.47,3509.11 4916.72,3477.36 4916.72,3454.37 4877.17,3455.66 4884.81,3485.39 4884.81,3640.82
no net on Mid-Layer 3 "NONET_L03_P007" (solid, remove dead copper, pour order 7): 4698.37,3604.37 4773.37,3604.37 4773.37,3491.49 4759.24,3477.36 4759.24,3463.32 4712.65,3463.32 4698.37,3477.6 4698.37,3494.37
no net on Mid-Layer 3 "NONET_L03_P006" (solid, remove dead copper, pour order 6): 4977.34,3149.37 5027.34,3149.37 5027.34,3103.49 5026.59,3102.74 5026.59,2910.13 5027.34,2909.37 4962.34,2909.37 4962.34,3101.49 4979.46,3118.6 4977.34,3120.72
no net on Mid-Layer 3 "NONET_L03_P005" (solid, remove dead copper, pour order 5): 4790.48,3134.9 4788.37,3149.37 4838.37,3149.37 4838.37,3103.49 4837.61,3102.74 4837.61,2910.13 4838.37,2909.37 4773.37,2909.37 4773.37,3101.49 4790.48,3118.6 4788.37,3120.72
GND on Bottom Layer "GND_L04_P004" (solid, remove dead copper, pour order 4): 1974.65,4721.57 1974.65,2910.55 5360.48,2910.55 5360.48,4721.57
GND on Top Layer "NONET_L01_P-001" (solid, remove dead copper, pour order 9): 1970,4720 1970,2910 5360,2910 5355,2915 5355,4725
+MCU on Mid-Layer 1 "NONET_L01_P-001" (solid, remove dead copper, pour order 10): 1972.09,4721.61 1972.09,2910.59 5357.91,2910.59 5357.91,4721.61

## Silkscreen, mask and mechanical layers (free items; w line width, h text height)
outline:
  lines w5: 1972.09,2910.59 1972.09,4721.61 3665,4721.61 5357.91,4721.61 5357.91,2910.59 3665,2910.59 1972.09,2910.59
Mechanical 4:
  lines w5: 3646.42,3825 3676.42,3825 ; 3665,2910.59 3665,4721.61
  text "AUDIO" at 3891,4871 h261.22
  text "GUI" at 2446,4861 h261.22